# KiCad board rcbus-ymf262-panel.kicad_pcb
title: RCBUS YMF262 sound card (Panel); date: @date@; rev: @version@; note: AISLER Project ID: NAXDHHCF
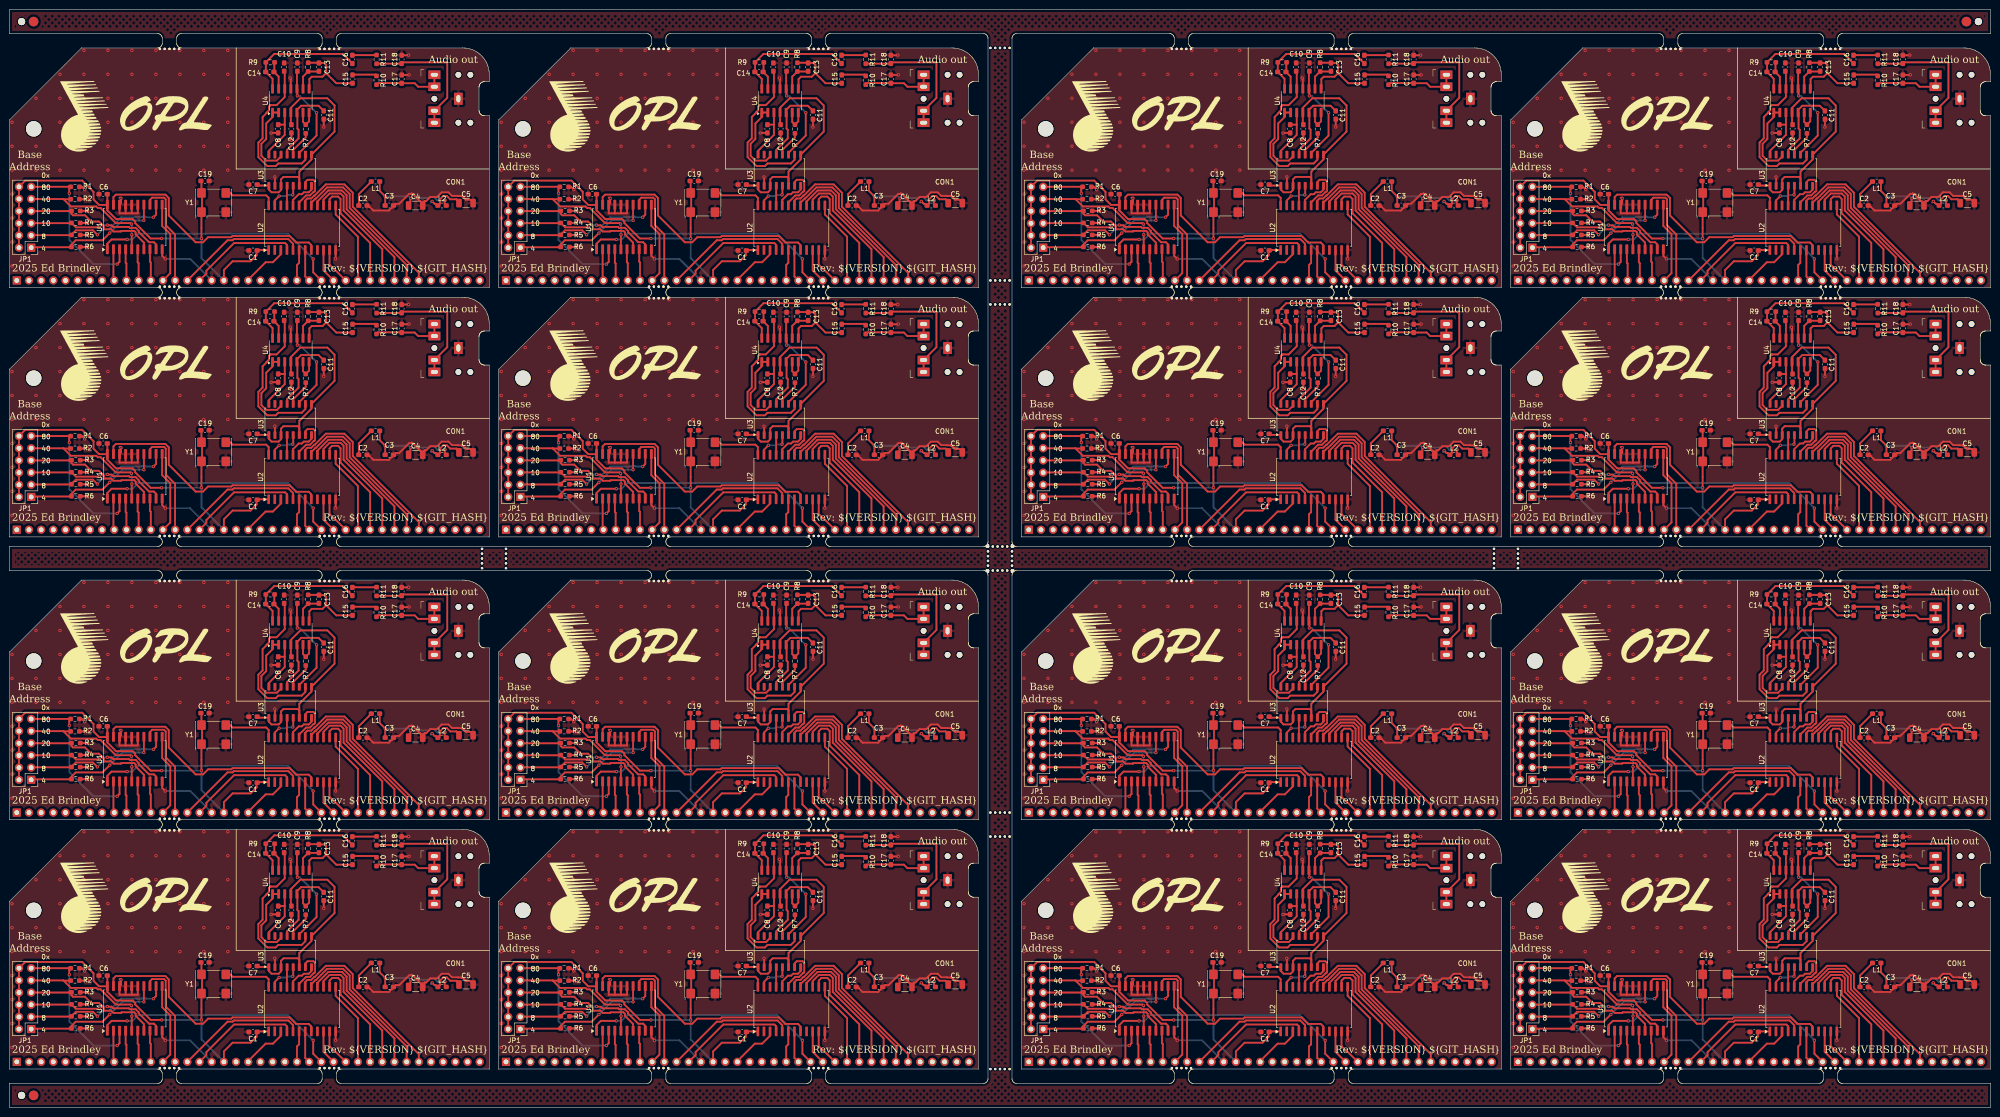
[diagram p0: board, top side]
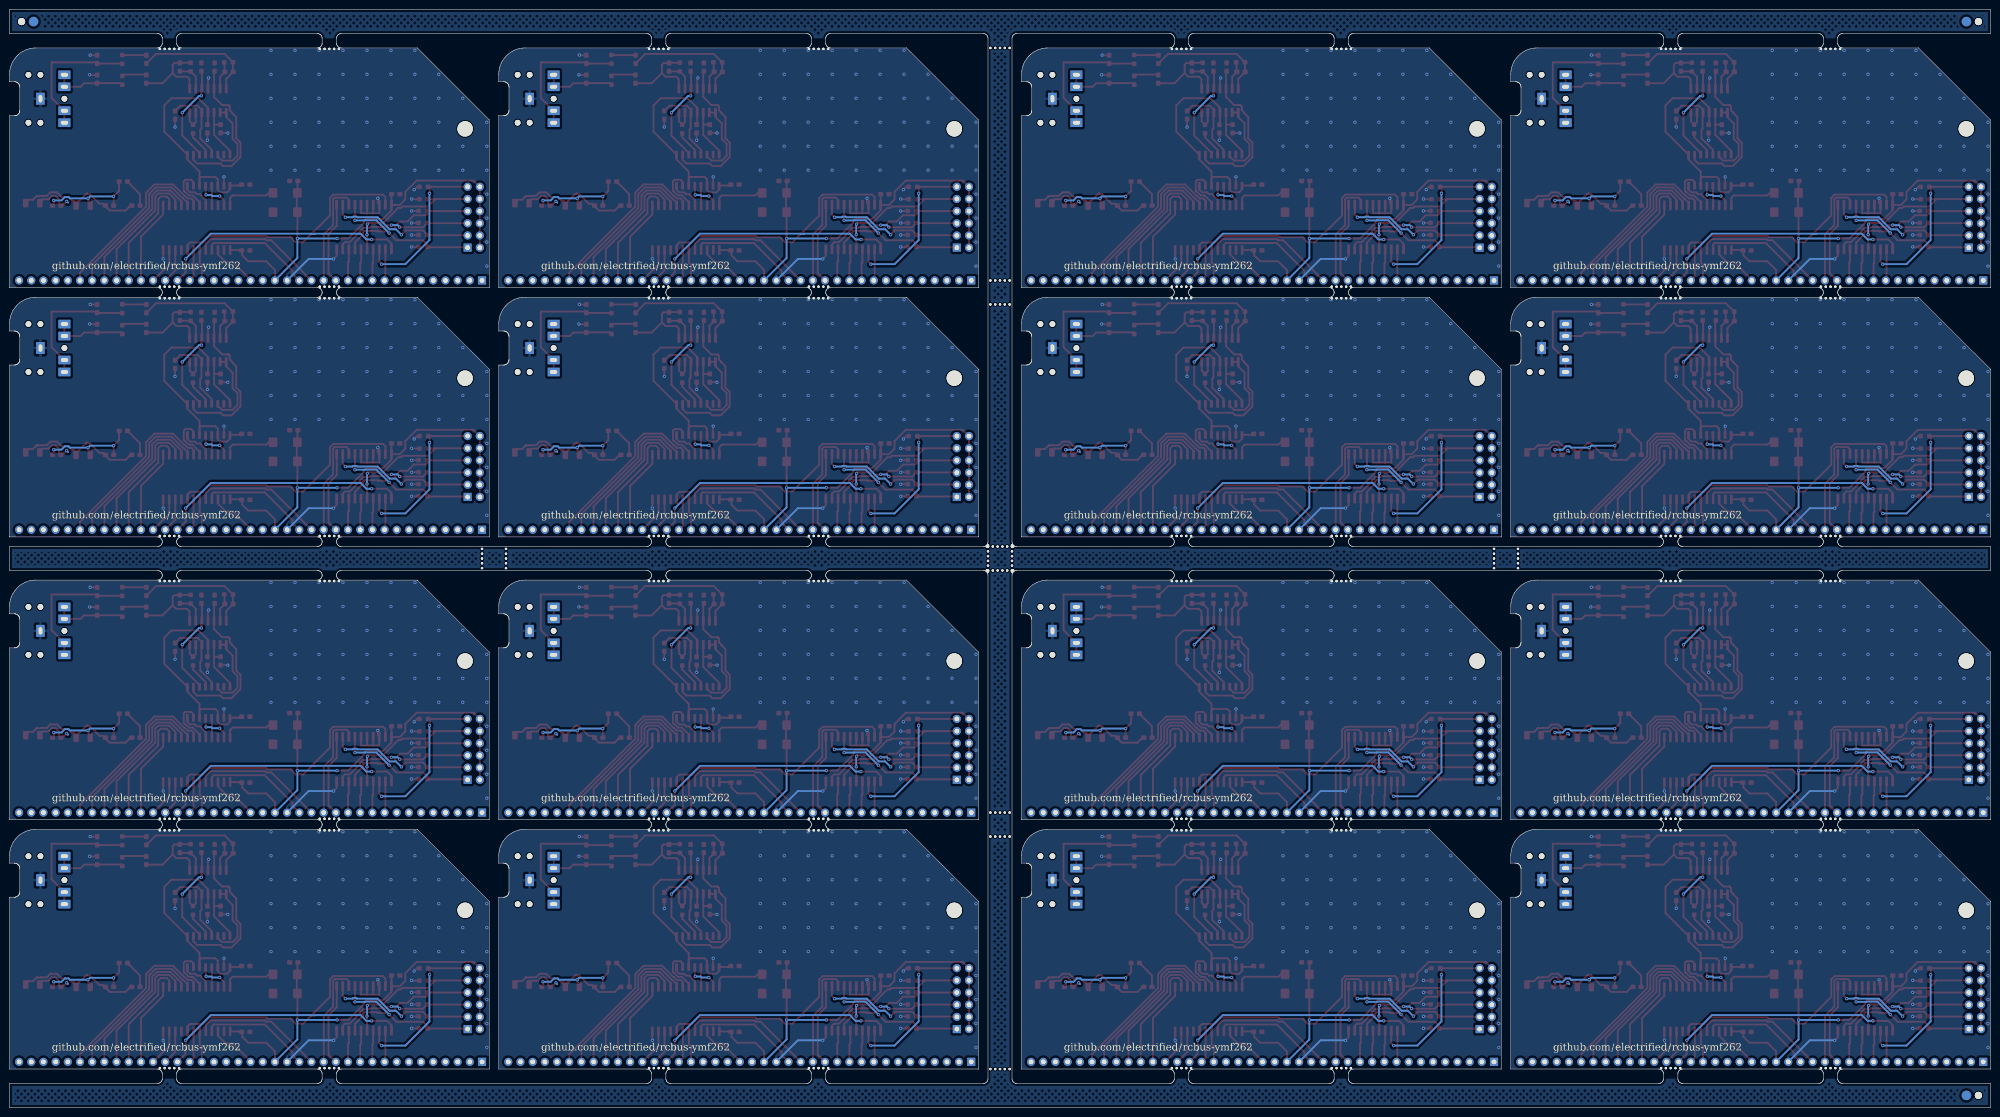
[diagram p1: board, bottom side, seen from below]

Outline 413 x 229 mm; copper layers: Front, Back. Coordinates in mm from the lower left corner of the outline.
Stack: Front 0.035mm / dielectric 1.51mm FR4 er 4.5 / Back 0.035mm

## Placement (name value [footprint] x y rotation side)
C1  0.1uF  [C_0603_1608Metric_Pad1.08x0.95mm_HandSolder]  261.75 178.75 180 top
C1#2  0.1uF  [C_0603_1608Metric_Pad1.08x0.95mm_HandSolder]  152.75 126.75 180 top
C1#3  0.1uF  [C_0603_1608Metric_Pad1.08x0.95mm_HandSolder]  363.75 67.75 180 top
C1#4  0.1uF  [C_0603_1608Metric_Pad1.08x0.95mm_HandSolder]  152.75 178.75 180 top
C1#5  0.1uF  [C_0603_1608Metric_Pad1.08x0.95mm_HandSolder]  50.75 67.75 180 top
C1#6  0.1uF  [C_0603_1608Metric_Pad1.08x0.95mm_HandSolder]  50.75 178.75 180 top
C1#7  0.1uF  [C_0603_1608Metric_Pad1.08x0.95mm_HandSolder]  261.75 126.75 180 top
C1#8  0.1uF  [C_0603_1608Metric_Pad1.08x0.95mm_HandSolder]  152.75 15.75 180 top
C1#9  0.1uF  [C_0603_1608Metric_Pad1.08x0.95mm_HandSolder]  261.75 15.75 180 top
C1#10  0.1uF  [C_0603_1608Metric_Pad1.08x0.95mm_HandSolder]  152.75 67.75 180 top
C1#11  0.1uF  [C_0603_1608Metric_Pad1.08x0.95mm_HandSolder]  363.75 126.75 180 top
C1#12  0.1uF  [C_0603_1608Metric_Pad1.08x0.95mm_HandSolder]  50.75 15.75 180 top
C1#13  0.1uF  [C_0603_1608Metric_Pad1.08x0.95mm_HandSolder]  50.75 126.75 180 top
C1#14  0.1uF  [C_0603_1608Metric_Pad1.08x0.95mm_HandSolder]  261.75 67.75 180 top
C1#15  0.1uF  [C_0603_1608Metric_Pad1.08x0.95mm_HandSolder]  363.75 178.75 180 top
C1#16  0.1uF  [C_0603_1608Metric_Pad1.08x0.95mm_HandSolder]  363.75 15.75 180 top
C2  10nF  [C_0603_1608Metric_Pad1.08x0.95mm_HandSolder]  284.67 77.13 0 top
C2#2  10nF  [C_0603_1608Metric_Pad1.08x0.95mm_HandSolder]  175.67 77.13 0 top
C2#3  10nF  [C_0603_1608Metric_Pad1.08x0.95mm_HandSolder]  386.67 188.13 0 top
C2#4  10nF  [C_0603_1608Metric_Pad1.08x0.95mm_HandSolder]  73.67 136.13 0 top
C2#5  10nF  [C_0603_1608Metric_Pad1.08x0.95mm_HandSolder]  386.67 25.13 0 top
C2#6  10nF  [C_0603_1608Metric_Pad1.08x0.95mm_HandSolder]  73.67 188.13 0 top
C2#7  10nF  [C_0603_1608Metric_Pad1.08x0.95mm_HandSolder]  284.67 188.13 0 top
C2#8  10nF  [C_0603_1608Metric_Pad1.08x0.95mm_HandSolder]  175.67 188.13 0 top
C2#9  10nF  [C_0603_1608Metric_Pad1.08x0.95mm_HandSolder]  73.67 77.13 0 top
C2#10  10nF  [C_0603_1608Metric_Pad1.08x0.95mm_HandSolder]  284.67 136.13 0 top
C2#11  10nF  [C_0603_1608Metric_Pad1.08x0.95mm_HandSolder]  175.67 25.13 0 top
C2#12  10nF  [C_0603_1608Metric_Pad1.08x0.95mm_HandSolder]  386.67 77.13 0 top
C2#13  10nF  [C_0603_1608Metric_Pad1.08x0.95mm_HandSolder]  175.67 136.13 0 top
C2#14  10nF  [C_0603_1608Metric_Pad1.08x0.95mm_HandSolder]  73.67 25.13 0 top
C2#15  10nF  [C_0603_1608Metric_Pad1.08x0.95mm_HandSolder]  386.67 136.13 0 top
C2#16  10nF  [C_0603_1608Metric_Pad1.08x0.95mm_HandSolder]  284.67 25.13 0 top
C3  100nF  [C_0603_1608Metric_Pad1.08x0.95mm_HandSolder]  79.17 25.13 0 top
C3#2  100nF  [C_0603_1608Metric_Pad1.08x0.95mm_HandSolder]  290.17 136.13 0 top
C3#3  100nF  [C_0603_1608Metric_Pad1.08x0.95mm_HandSolder]  79.17 188.13 0 top
C3#4  100nF  [C_0603_1608Metric_Pad1.08x0.95mm_HandSolder]  181.17 25.13 0 top
C3#5  100nF  [C_0603_1608Metric_Pad1.08x0.95mm_HandSolder]  392.17 136.13 0 top
C3#6  100nF  [C_0603_1608Metric_Pad1.08x0.95mm_HandSolder]  290.17 77.13 0 top
C3#7  100nF  [C_0603_1608Metric_Pad1.08x0.95mm_HandSolder]  79.17 136.13 0 top
C3#8  100nF  [C_0603_1608Metric_Pad1.08x0.95mm_HandSolder]  392.17 77.13 0 top
C3#9  100nF  [C_0603_1608Metric_Pad1.08x0.95mm_HandSolder]  392.17 25.13 0 top
C3#10  100nF  [C_0603_1608Metric_Pad1.08x0.95mm_HandSolder]  290.17 188.13 0 top
C3#11  100nF  [C_0603_1608Metric_Pad1.08x0.95mm_HandSolder]  181.17 188.13 0 top
C3#12  100nF  [C_0603_1608Metric_Pad1.08x0.95mm_HandSolder]  181.17 77.13 0 top
C3#13  100nF  [C_0603_1608Metric_Pad1.08x0.95mm_HandSolder]  392.17 188.13 0 top
C3#14  100nF  [C_0603_1608Metric_Pad1.08x0.95mm_HandSolder]  290.17 25.13 0 top
C3#15  100nF  [C_0603_1608Metric_Pad1.08x0.95mm_HandSolder]  181.17 136.13 0 top
C3#16  100nF  [C_0603_1608Metric_Pad1.08x0.95mm_HandSolder]  79.17 77.13 0 top
C4  10uF  [C_1206_3216Metric]  397.67 25.13 0 top
C4#2  10uF  [C_1206_3216Metric]  84.67 77.13 0 top
C4#3  10uF  [C_1206_3216Metric]  186.67 77.13 0 top
C4#4  10uF  [C_1206_3216Metric]  186.67 136.13 0 top
C4#5  10uF  [C_1206_3216Metric]  84.67 136.13 0 top
C4#6  10uF  [C_1206_3216Metric]  84.67 188.13 0 top
C4#7  10uF  [C_1206_3216Metric]  397.67 188.13 0 top
C4#8  10uF  [C_1206_3216Metric]  295.67 136.13 0 top
C4#9  10uF  [C_1206_3216Metric]  186.67 188.13 0 top
C4#10  10uF  [C_1206_3216Metric]  84.67 25.13 0 top
C4#11  10uF  [C_1206_3216Metric]  295.67 188.13 0 top
C4#12  10uF  [C_1206_3216Metric]  295.67 77.13 0 top
C4#13  10uF  [C_1206_3216Metric]  186.67 25.13 0 top
C4#14  10uF  [C_1206_3216Metric]  397.67 77.13 0 top
C4#15  10uF  [C_1206_3216Metric]  397.67 136.13 0 top
C4#16  10uF  [C_1206_3216Metric]  295.67 25.13 0 top
C5  10uF  [C_1206_3216Metric]  95.17 188.63 0 top
C5#2  10uF  [C_1206_3216Metric]  95.17 136.63 0 top
C5#3  10uF  [C_1206_3216Metric]  197.17 188.63 0 top
C5#4  10uF  [C_1206_3216Metric]  306.17 77.63 0 top
C5#5  10uF  [C_1206_3216Metric]  306.17 188.63 0 top
C5#6  10uF  [C_1206_3216Metric]  408.17 136.63 0 top
C5#7  10uF  [C_1206_3216Metric]  408.17 25.63 0 top
C5#8  10uF  [C_1206_3216Metric]  408.17 188.63 0 top
C5#9  10uF  [C_1206_3216Metric]  197.17 77.63 0 top
C5#10  10uF  [C_1206_3216Metric]  95.17 25.63 0 top
C5#11  10uF  [C_1206_3216Metric]  197.17 25.63 0 top
C5#12  10uF  [C_1206_3216Metric]  306.17 136.63 0 top
C5#13  10uF  [C_1206_3216Metric]  95.17 77.63 0 top
C5#14  10uF  [C_1206_3216Metric]  306.17 25.63 0 top
C5#15  10uF  [C_1206_3216Metric]  197.17 136.63 0 top
C5#16  10uF  [C_1206_3216Metric]  408.17 77.63 0 top
C6  0.1uF  [C_0603_1608Metric_Pad1.08x0.95mm_HandSolder]  230.5 138.5 180 top
C6#2  0.1uF  [C_0603_1608Metric_Pad1.08x0.95mm_HandSolder]  332.5 27.5 180 top
C6#3  0.1uF  [C_0603_1608Metric_Pad1.08x0.95mm_HandSolder]  230.5 79.5 180 top
C6#4  0.1uF  [C_0603_1608Metric_Pad1.08x0.95mm_HandSolder]  230.5 27.5 180 top
C6#5  0.1uF  [C_0603_1608Metric_Pad1.08x0.95mm_HandSolder]  332.5 190.5 180 top
C6#6  0.1uF  [C_0603_1608Metric_Pad1.08x0.95mm_HandSolder]  19.5 190.5 180 top
C6#7  0.1uF  [C_0603_1608Metric_Pad1.08x0.95mm_HandSolder]  19.5 79.5 180 top
C6#8  0.1uF  [C_0603_1608Metric_Pad1.08x0.95mm_HandSolder]  230.5 190.5 180 top
C6#9  0.1uF  [C_0603_1608Metric_Pad1.08x0.95mm_HandSolder]  19.5 27.5 180 top
C6#10  0.1uF  [C_0603_1608Metric_Pad1.08x0.95mm_HandSolder]  332.5 79.5 180 top
C6#11  0.1uF  [C_0603_1608Metric_Pad1.08x0.95mm_HandSolder]  121.5 190.5 180 top
C6#12  0.1uF  [C_0603_1608Metric_Pad1.08x0.95mm_HandSolder]  121.5 27.5 180 top
C6#13  0.1uF  [C_0603_1608Metric_Pad1.08x0.95mm_HandSolder]  121.5 79.5 180 top
C6#14  0.1uF  [C_0603_1608Metric_Pad1.08x0.95mm_HandSolder]  121.5 138.5 180 top
C6#15  0.1uF  [C_0603_1608Metric_Pad1.08x0.95mm_HandSolder]  332.5 138.5 180 top
C6#16  0.1uF  [C_0603_1608Metric_Pad1.08x0.95mm_HandSolder]  19.5 138.5 180 top
C7  0.1uF  [C_0603_1608Metric_Pad1.08x0.95mm_HandSolder]  50.75 192.5 180 top
C7#2  0.1uF  [C_0603_1608Metric_Pad1.08x0.95mm_HandSolder]  50.75 29.5 180 top
C7#3  0.1uF  [C_0603_1608Metric_Pad1.08x0.95mm_HandSolder]  261.75 192.5 180 top
C7#4  0.1uF  [C_0603_1608Metric_Pad1.08x0.95mm_HandSolder]  363.75 81.5 180 top
C7#5  0.1uF  [C_0603_1608Metric_Pad1.08x0.95mm_HandSolder]  152.75 140.5 180 top
C7#6  0.1uF  [C_0603_1608Metric_Pad1.08x0.95mm_HandSolder]  363.75 140.5 180 top
C7#7  0.1uF  [C_0603_1608Metric_Pad1.08x0.95mm_HandSolder]  363.75 29.5 180 top
C7#8  0.1uF  [C_0603_1608Metric_Pad1.08x0.95mm_HandSolder]  152.75 29.5 180 top
C7#9  0.1uF  [C_0603_1608Metric_Pad1.08x0.95mm_HandSolder]  152.75 81.5 180 top
C7#10  0.1uF  [C_0603_1608Metric_Pad1.08x0.95mm_HandSolder]  50.75 81.5 180 top
C7#11  0.1uF  [C_0603_1608Metric_Pad1.08x0.95mm_HandSolder]  261.75 29.5 180 top
C7#12  0.1uF  [C_0603_1608Metric_Pad1.08x0.95mm_HandSolder]  363.75 192.5 180 top
C7#13  0.1uF  [C_0603_1608Metric_Pad1.08x0.95mm_HandSolder]  261.75 140.5 180 top
C7#14  0.1uF  [C_0603_1608Metric_Pad1.08x0.95mm_HandSolder]  152.75 192.5 180 top
C7#15  0.1uF  [C_0603_1608Metric_Pad1.08x0.95mm_HandSolder]  261.75 81.5 180 top
C7#16  0.1uF  [C_0603_1608Metric_Pad1.08x0.95mm_HandSolder]  50.75 140.5 180 top
C8  10uF  [C_0603_1608Metric_Pad1.08x0.95mm_HandSolder]  369 204.14 270 top
C8#2  10uF  [C_0603_1608Metric_Pad1.08x0.95mm_HandSolder]  158 204.14 270 top
C8#3  10uF  [C_0603_1608Metric_Pad1.08x0.95mm_HandSolder]  369 93.14 270 top
C8#4  10uF  [C_0603_1608Metric_Pad1.08x0.95mm_HandSolder]  56 41.14 270 top
C8#5  10uF  [C_0603_1608Metric_Pad1.08x0.95mm_HandSolder]  369 152.14 270 top
C8#6  10uF  [C_0603_1608Metric_Pad1.08x0.95mm_HandSolder]  267 152.14 270 top
C8#7  10uF  [C_0603_1608Metric_Pad1.08x0.95mm_HandSolder]  267 41.14 270 top
C8#8  10uF  [C_0603_1608Metric_Pad1.08x0.95mm_HandSolder]  56 93.14 270 top
C8#9  10uF  [C_0603_1608Metric_Pad1.08x0.95mm_HandSolder]  158 93.14 270 top
C8#10  10uF  [C_0603_1608Metric_Pad1.08x0.95mm_HandSolder]  158 152.14 270 top
C8#11  10uF  [C_0603_1608Metric_Pad1.08x0.95mm_HandSolder]  56 204.14 270 top
C8#12  10uF  [C_0603_1608Metric_Pad1.08x0.95mm_HandSolder]  267 204.14 270 top
C8#13  10uF  [C_0603_1608Metric_Pad1.08x0.95mm_HandSolder]  158 41.14 270 top
C8#14  10uF  [C_0603_1608Metric_Pad1.08x0.95mm_HandSolder]  369 41.14 270 top
C8#15  10uF  [C_0603_1608Metric_Pad1.08x0.95mm_HandSolder]  56 152.14 270 top
C8#16  10uF  [C_0603_1608Metric_Pad1.08x0.95mm_HandSolder]  267 93.14 270 top
C9  2.7nf  [C_0603_1608Metric_Pad1.08x0.95mm_HandSolder]  271 106 90 top
C9#2  2.7nf  [C_0603_1608Metric_Pad1.08x0.95mm_HandSolder]  373 106 90 top
C9#3  2.7nf  [C_0603_1608Metric_Pad1.08x0.95mm_HandSolder]  60 165 90 top
C9#4  2.7nf  [C_0603_1608Metric_Pad1.08x0.95mm_HandSolder]  60 54 90 top
C9#5  2.7nf  [C_0603_1608Metric_Pad1.08x0.95mm_HandSolder]  162 217 90 top
C9#6  2.7nf  [C_0603_1608Metric_Pad1.08x0.95mm_HandSolder]  162 165 90 top
C9#7  2.7nf  [C_0603_1608Metric_Pad1.08x0.95mm_HandSolder]  162 106 90 top
C9#8  2.7nf  [C_0603_1608Metric_Pad1.08x0.95mm_HandSolder]  271 217 90 top
C9#9  2.7nf  [C_0603_1608Metric_Pad1.08x0.95mm_HandSolder]  60 217 90 top
C9#10  2.7nf  [C_0603_1608Metric_Pad1.08x0.95mm_HandSolder]  162 54 90 top
C9#11  2.7nf  [C_0603_1608Metric_Pad1.08x0.95mm_HandSolder]  271 54 90 top
C9#12  2.7nf  [C_0603_1608Metric_Pad1.08x0.95mm_HandSolder]  373 165 90 top
C9#13  2.7nf  [C_0603_1608Metric_Pad1.08x0.95mm_HandSolder]  60 106 90 top
C9#14  2.7nf  [C_0603_1608Metric_Pad1.08x0.95mm_HandSolder]  271 165 90 top
C9#15  2.7nf  [C_0603_1608Metric_Pad1.08x0.95mm_HandSolder]  373 217 90 top
C9#16  2.7nf  [C_0603_1608Metric_Pad1.08x0.95mm_HandSolder]  373 54 90 top
C10  2.7nf  [C_0603_1608Metric_Pad1.08x0.95mm_HandSolder]  268.25 106 90 top
C10#2  2.7nf  [C_0603_1608Metric_Pad1.08x0.95mm_HandSolder]  370.25 106 90 top
C10#3  2.7nf  [C_0603_1608Metric_Pad1.08x0.95mm_HandSolder]  159.25 165 90 top
C10#4  2.7nf  [C_0603_1608Metric_Pad1.08x0.95mm_HandSolder]  57.25 54 90 top
C10#5  2.7nf  [C_0603_1608Metric_Pad1.08x0.95mm_HandSolder]  57.25 106 90 top
C10#6  2.7nf  [C_0603_1608Metric_Pad1.08x0.95mm_HandSolder]  268.25 165 90 top
C10#7  2.7nf  [C_0603_1608Metric_Pad1.08x0.95mm_HandSolder]  370.25 217 90 top
C10#8  2.7nf  [C_0603_1608Metric_Pad1.08x0.95mm_HandSolder]  370.25 165 90 top
C10#9  2.7nf  [C_0603_1608Metric_Pad1.08x0.95mm_HandSolder]  159.25 106 90 top
C10#10  2.7nf  [C_0603_1608Metric_Pad1.08x0.95mm_HandSolder]  370.25 54 90 top
C10#11  2.7nf  [C_0603_1608Metric_Pad1.08x0.95mm_HandSolder]  57.25 217 90 top
C10#12  2.7nf  [C_0603_1608Metric_Pad1.08x0.95mm_HandSolder]  268.25 217 90 top
C10#13  2.7nf  [C_0603_1608Metric_Pad1.08x0.95mm_HandSolder]  159.25 54 90 top
C10#14  2.7nf  [C_0603_1608Metric_Pad1.08x0.95mm_HandSolder]  57.25 165 90 top
C10#15  2.7nf  [C_0603_1608Metric_Pad1.08x0.95mm_HandSolder]  159.25 217 90 top
C10#16  2.7nf  [C_0603_1608Metric_Pad1.08x0.95mm_HandSolder]  268.25 54 90 top
C11  68pf  [C_0603_1608Metric_Pad1.08x0.95mm_HandSolder]  65.5 155 270 top
C11#2  68pf  [C_0603_1608Metric_Pad1.08x0.95mm_HandSolder]  276.5 44 270 top
C11#3  68pf  [C_0603_1608Metric_Pad1.08x0.95mm_HandSolder]  276.5 96 270 top
C11#4  68pf  [C_0603_1608Metric_Pad1.08x0.95mm_HandSolder]  378.5 155 270 top
C11#5  68pf  [C_0603_1608Metric_Pad1.08x0.95mm_HandSolder]  65.5 44 270 top
C11#6  68pf  [C_0603_1608Metric_Pad1.08x0.95mm_HandSolder]  167.5 155 270 top
C11#7  68pf  [C_0603_1608Metric_Pad1.08x0.95mm_HandSolder]  276.5 207 270 top
C11#8  68pf  [C_0603_1608Metric_Pad1.08x0.95mm_HandSolder]  65.5 207 270 top
C11#9  68pf  [C_0603_1608Metric_Pad1.08x0.95mm_HandSolder]  65.5 96 270 top
C11#10  68pf  [C_0603_1608Metric_Pad1.08x0.95mm_HandSolder]  378.5 207 270 top
C11#11  68pf  [C_0603_1608Metric_Pad1.08x0.95mm_HandSolder]  167.5 44 270 top
C11#12  68pf  [C_0603_1608Metric_Pad1.08x0.95mm_HandSolder]  276.5 155 270 top
C11#13  68pf  [C_0603_1608Metric_Pad1.08x0.95mm_HandSolder]  378.5 44 270 top
C11#14  68pf  [C_0603_1608Metric_Pad1.08x0.95mm_HandSolder]  167.5 96 270 top
C11#15  68pf  [C_0603_1608Metric_Pad1.08x0.95mm_HandSolder]  167.5 207 270 top
C11#16  68pf  [C_0603_1608Metric_Pad1.08x0.95mm_HandSolder]  378.5 96 270 top
C12  0.1uF  [C_0603_1608Metric_Pad1.08x0.95mm_HandSolder]  58.75 152.14 270 top
C12#2  0.1uF  [C_0603_1608Metric_Pad1.08x0.95mm_HandSolder]  269.75 204.14 270 top
C12#3  0.1uF  [C_0603_1608Metric_Pad1.08x0.95mm_HandSolder]  371.75 204.14 270 top
C12#4  0.1uF  [C_0603_1608Metric_Pad1.08x0.95mm_HandSolder]  58.75 93.14 270 top
C12#5  0.1uF  [C_0603_1608Metric_Pad1.08x0.95mm_HandSolder]  371.75 41.14 270 top
C12#6  0.1uF  [C_0603_1608Metric_Pad1.08x0.95mm_HandSolder]  58.75 41.14 270 top
C12#7  0.1uF  [C_0603_1608Metric_Pad1.08x0.95mm_HandSolder]  371.75 93.14 270 top
C12#8  0.1uF  [C_0603_1608Metric_Pad1.08x0.95mm_HandSolder]  160.75 204.14 270 top
C12#9  0.1uF  [C_0603_1608Metric_Pad1.08x0.95mm_HandSolder]  160.75 93.14 270 top
C12#10  0.1uF  [C_0603_1608Metric_Pad1.08x0.95mm_HandSolder]  269.75 41.14 270 top
C12#11  0.1uF  [C_0603_1608Metric_Pad1.08x0.95mm_HandSolder]  58.75 204.14 270 top
C12#12  0.1uF  [C_0603_1608Metric_Pad1.08x0.95mm_HandSolder]  371.75 152.14 270 top
C12#13  0.1uF  [C_0603_1608Metric_Pad1.08x0.95mm_HandSolder]  269.75 93.14 270 top
C12#14  0.1uF  [C_0603_1608Metric_Pad1.08x0.95mm_HandSolder]  160.75 152.14 270 top
C12#15  0.1uF  [C_0603_1608Metric_Pad1.08x0.95mm_HandSolder]  160.75 41.14 270 top
C12#16  0.1uF  [C_0603_1608Metric_Pad1.08x0.95mm_HandSolder]  269.75 152.14 270 top
C13  470pF  [C_0603_1608Metric_Pad1.08x0.95mm_HandSolder]  275.5 165 270 top
C13#2  470pF  [C_0603_1608Metric_Pad1.08x0.95mm_HandSolder]  377.5 54 270 top
C13#3  470pF  [C_0603_1608Metric_Pad1.08x0.95mm_HandSolder]  377.5 165 270 top
C13#4  470pF  [C_0603_1608Metric_Pad1.08x0.95mm_HandSolder]  64.5 217 270 top
C13#5  470pF  [C_0603_1608Metric_Pad1.08x0.95mm_HandSolder]  377.5 106 270 top
C13#6  470pF  [C_0603_1608Metric_Pad1.08x0.95mm_HandSolder]  275.5 106 270 top
C13#7  470pF  [C_0603_1608Metric_Pad1.08x0.95mm_HandSolder]  166.5 217 270 top
C13#8  470pF  [C_0603_1608Metric_Pad1.08x0.95mm_HandSolder]  166.5 106 270 top
C13#9  470pF  [C_0603_1608Metric_Pad1.08x0.95mm_HandSolder]  64.5 165 270 top
C13#10  470pF  [C_0603_1608Metric_Pad1.08x0.95mm_HandSolder]  275.5 54 270 top
C13#11  470pF  [C_0603_1608Metric_Pad1.08x0.95mm_HandSolder]  64.5 106 270 top
C13#12  470pF  [C_0603_1608Metric_Pad1.08x0.95mm_HandSolder]  275.5 217 270 top
C13#13  470pF  [C_0603_1608Metric_Pad1.08x0.95mm_HandSolder]  377.5 217 270 top
C13#14  470pF  [C_0603_1608Metric_Pad1.08x0.95mm_HandSolder]  166.5 165 270 top
C13#15  470pF  [C_0603_1608Metric_Pad1.08x0.95mm_HandSolder]  166.5 54 270 top
C13#16  470pF  [C_0603_1608Metric_Pad1.08x0.95mm_HandSolder]  64.5 54 270 top
C14  470pF  [C_0603_1608Metric_Pad1.08x0.95mm_HandSolder]  54.25 216 180 top
C14#2  470pF  [C_0603_1608Metric_Pad1.08x0.95mm_HandSolder]  265.25 216 180 top
C14#3  470pF  [C_0603_1608Metric_Pad1.08x0.95mm_HandSolder]  156.25 105 180 top
C14#4  470pF  [C_0603_1608Metric_Pad1.08x0.95mm_HandSolder]  54.25 164 180 top
C14#5  470pF  [C_0603_1608Metric_Pad1.08x0.95mm_HandSolder]  367.25 105 180 top
C14#6  470pF  [C_0603_1608Metric_Pad1.08x0.95mm_HandSolder]  54.25 105 180 top
C14#7  470pF  [C_0603_1608Metric_Pad1.08x0.95mm_HandSolder]  265.25 105 180 top
C14#8  470pF  [C_0603_1608Metric_Pad1.08x0.95mm_HandSolder]  367.25 164 180 top
C14#9  470pF  [C_0603_1608Metric_Pad1.08x0.95mm_HandSolder]  265.25 164 180 top
C14#10  470pF  [C_0603_1608Metric_Pad1.08x0.95mm_HandSolder]  54.25 53 180 top
C14#11  470pF  [C_0603_1608Metric_Pad1.08x0.95mm_HandSolder]  367.25 216 180 top
C14#12  470pF  [C_0603_1608Metric_Pad1.08x0.95mm_HandSolder]  156.25 164 180 top
C14#13  470pF  [C_0603_1608Metric_Pad1.08x0.95mm_HandSolder]  156.25 216 180 top
C14#14  470pF  [C_0603_1608Metric_Pad1.08x0.95mm_HandSolder]  367.25 53 180 top
C14#15  470pF  [C_0603_1608Metric_Pad1.08x0.95mm_HandSolder]  265.25 53 180 top
C14#16  470pF  [C_0603_1608Metric_Pad1.08x0.95mm_HandSolder]  156.25 53 180 top
C15  10uf  [C_0603_1608Metric_Pad1.08x0.95mm_HandSolder]  282.5 214.5 90 top
C15#2  10uf  [C_0603_1608Metric_Pad1.08x0.95mm_HandSolder]  173.5 162.5 90 top
C15#3  10uf  [C_0603_1608Metric_Pad1.08x0.95mm_HandSolder]  282.5 51.5 90 top
C15#4  10uf  [C_0603_1608Metric_Pad1.08x0.95mm_HandSolder]  173.5 51.5 90 top
C15#5  10uf  [C_0603_1608Metric_Pad1.08x0.95mm_HandSolder]  282.5 103.5 90 top
C15#6  10uf  [C_0603_1608Metric_Pad1.08x0.95mm_HandSolder]  173.5 214.5 90 top
C15#7  10uf  [C_0603_1608Metric_Pad1.08x0.95mm_HandSolder]  384.5 214.5 90 top
C15#8  10uf  [C_0603_1608Metric_Pad1.08x0.95mm_HandSolder]  71.5 214.5 90 top
C15#9  10uf  [C_0603_1608Metric_Pad1.08x0.95mm_HandSolder]  384.5 162.5 90 top
C15#10  10uf  [C_0603_1608Metric_Pad1.08x0.95mm_HandSolder]  384.5 103.5 90 top
C15#11  10uf  [C_0603_1608Metric_Pad1.08x0.95mm_HandSolder]  384.5 51.5 90 top
C15#12  10uf  [C_0603_1608Metric_Pad1.08x0.95mm_HandSolder]  71.5 103.5 90 top
C15#13  10uf  [C_0603_1608Metric_Pad1.08x0.95mm_HandSolder]  71.5 162.5 90 top
C15#14  10uf  [C_0603_1608Metric_Pad1.08x0.95mm_HandSolder]  282.5 162.5 90 top
C15#15  10uf  [C_0603_1608Metric_Pad1.08x0.95mm_HandSolder]  71.5 51.5 90 top
C15#16  10uf  [C_0603_1608Metric_Pad1.08x0.95mm_HandSolder]  173.5 103.5 90 top
C16  10uf  [C_0603_1608Metric_Pad1.08x0.95mm_HandSolder]  173.46 166.61 90 top
C16#2  10uf  [C_0603_1608Metric_Pad1.08x0.95mm_HandSolder]  173.46 55.61 90 top
C16#3  10uf  [C_0603_1608Metric_Pad1.08x0.95mm_HandSolder]  282.46 107.61 90 top
C16#4  10uf  [C_0603_1608Metric_Pad1.08x0.95mm_HandSolder]  282.46 218.61 90 top
C16#5  10uf  [C_0603_1608Metric_Pad1.08x0.95mm_HandSolder]  71.46 107.61 90 top
C16#6  10uf  [C_0603_1608Metric_Pad1.08x0.95mm_HandSolder]  384.46 107.61 90 top
C16#7  10uf  [C_0603_1608Metric_Pad1.08x0.95mm_HandSolder]  384.46 166.61 90 top
C16#8  10uf  [C_0603_1608Metric_Pad1.08x0.95mm_HandSolder]  173.46 107.61 90 top
C16#9  10uf  [C_0603_1608Metric_Pad1.08x0.95mm_HandSolder]  282.46 55.61 90 top
C16#10  10uf  [C_0603_1608Metric_Pad1.08x0.95mm_HandSolder]  384.46 218.61 90 top
C16#11  10uf  [C_0603_1608Metric_Pad1.08x0.95mm_HandSolder]  71.46 166.61 90 top
C16#12  10uf  [C_0603_1608Metric_Pad1.08x0.95mm_HandSolder]  71.46 55.61 90 top
C16#13  10uf  [C_0603_1608Metric_Pad1.08x0.95mm_HandSolder]  71.46 218.61 90 top
C16#14  10uf  [C_0603_1608Metric_Pad1.08x0.95mm_HandSolder]  384.46 55.61 90 top
C16#15  10uf  [C_0603_1608Metric_Pad1.08x0.95mm_HandSolder]  282.46 166.61 90 top
C16#16  10uf  [C_0603_1608Metric_Pad1.08x0.95mm_HandSolder]  173.46 218.61 90 top
C17  3.9nF  [C_0603_1608Metric_Pad1.08x0.95mm_HandSolder]  81.75 214.5 90 top
C17#2  3.9nF  [C_0603_1608Metric_Pad1.08x0.95mm_HandSolder]  292.75 51.5 90 top
C17#3  3.9nF  [C_0603_1608Metric_Pad1.08x0.95mm_HandSolder]  183.75 51.5 90 top
C17#4  3.9nF  [C_0603_1608Metric_Pad1.08x0.95mm_HandSolder]  81.75 51.5 90 top
C17#5  3.9nF  [C_0603_1608Metric_Pad1.08x0.95mm_HandSolder]  292.75 162.5 90 top
C17#6  3.9nF  [C_0603_1608Metric_Pad1.08x0.95mm_HandSolder]  183.75 214.5 90 top
C17#7  3.9nF  [C_0603_1608Metric_Pad1.08x0.95mm_HandSolder]  394.75 214.5 90 top
C17#8  3.9nF  [C_0603_1608Metric_Pad1.08x0.95mm_HandSolder]  394.75 51.5 90 top
C17#9  3.9nF  [C_0603_1608Metric_Pad1.08x0.95mm_HandSolder]  81.75 162.5 90 top
C17#10  3.9nF  [C_0603_1608Metric_Pad1.08x0.95mm_HandSolder]  292.75 103.5 90 top
C17#11  3.9nF  [C_0603_1608Metric_Pad1.08x0.95mm_HandSolder]  81.75 103.5 90 top
C17#12  3.9nF  [C_0603_1608Metric_Pad1.08x0.95mm_HandSolder]  183.75 103.5 90 top
C17#13  3.9nF  [C_0603_1608Metric_Pad1.08x0.95mm_HandSolder]  292.75 214.5 90 top
C17#14  3.9nF  [C_0603_1608Metric_Pad1.08x0.95mm_HandSolder]  183.75 162.5 90 top